# KiCad board led_mapper_850.kicad_pcb (continued)
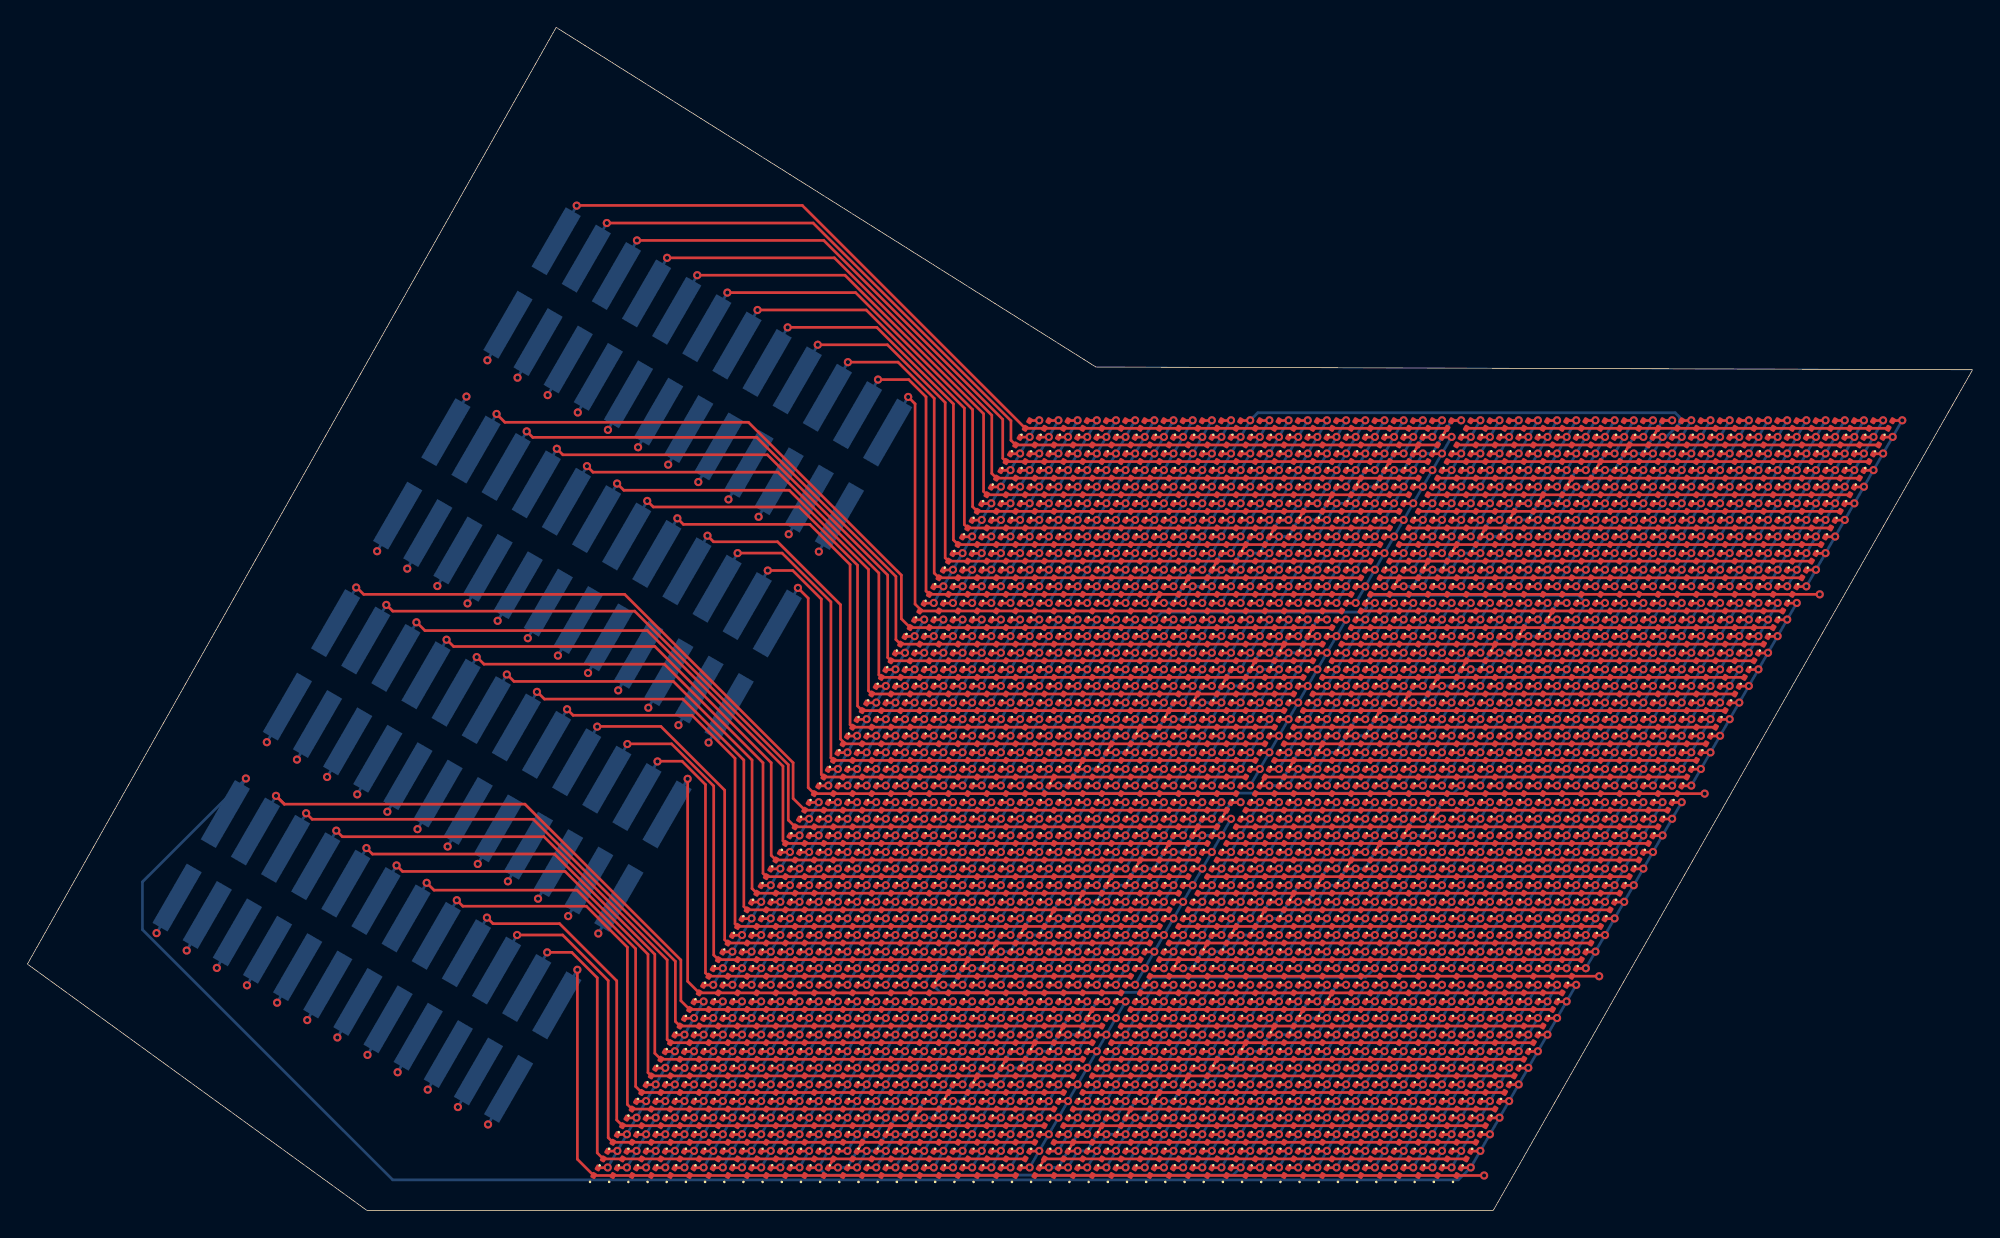
[diagram p0: board, top side]
## Placement (name value [footprint] x y rotation side) (continued)
D370  LED  [LED_0201_0603Metric]  68.8 47.7 60 top
D371  LED  [LED_0201_0603Metric]  70.2 47.7 60 top
D372  LED  [LED_0201_0603Metric]  71.6 47.7 60 top
D373  LED  [LED_0201_0603Metric]  73 47.7 60 top
D374  LED  [LED_0201_0603Metric]  74.4 47.7 60 top
D375  LED  [LED_0201_0603Metric]  75.8 47.7 60 top
D376  LED  [LED_0201_0603Metric]  77.2 47.7 60 top
D377  LED  [LED_0201_0603Metric]  78.6 47.7 60 top
D378  LED  [LED_0201_0603Metric]  80 47.7 60 top
D379  LED  [LED_0201_0603Metric]  81.4 47.7 60 top
D380  LED  [LED_0201_0603Metric]  82.8 47.7 60 top
D381  LED  [LED_0201_0603Metric]  84.2 47.7 60 top
D382  LED  [LED_0201_0603Metric]  85.6 47.7 60 top
D383  LED  [LED_0201_0603Metric]  87 47.7 60 top
D384  LED  [LED_0201_0603Metric]  88.4 47.7 60 top
D385  LED  [LED_0201_0603Metric]  89.8 47.7 60 top
D386  LED  [LED_0201_0603Metric]  91.2 47.7 60 top
D387  LED  [LED_0201_0603Metric]  92.6 47.7 60 top
D388  LED  [LED_0201_0603Metric]  94 47.7 60 top
D389  LED  [LED_0201_0603Metric]  95.4 47.7 60 top
D390  LED  [LED_0201_0603Metric]  96.8 47.7 60 top
D391  LED  [LED_0201_0603Metric]  98.2 47.7 60 top
D392  LED  [LED_0201_0603Metric]  99.6 47.7 60 top
D393  LED  [LED_0201_0603Metric]  101 47.7 60 top
D394  LED  [LED_0201_0603Metric]  102.4 47.7 60 top
D395  LED  [LED_0201_0603Metric]  103.8 47.7 60 top
D396  LED  [LED_0201_0603Metric]  105.2 47.7 60 top
D397  LED  [LED_0201_0603Metric]  106.6 47.7 60 top
D398  LED  [LED_0201_0603Metric]  108 47.7 60 top
D399  LED  [LED_0201_0603Metric]  109.4 47.7 60 top
D400  LED  [LED_0201_0603Metric]  110.8 47.7 60 top
D401  LED  [LED_0201_0603Metric]  112.2 47.7 60 top
D402  LED  [LED_0201_0603Metric]  113.6 47.7 60 top
D403  LED  [LED_0201_0603Metric]  115 47.7 60 top
D404  LED  [LED_0201_0603Metric]  116.4 47.7 60 top
D405  LED  [LED_0201_0603Metric]  117.8 47.7 60 top
D406  LED  [LED_0201_0603Metric]  119.2 47.7 60 top
D407  LED  [LED_0201_0603Metric]  120.6 47.7 60 top
D408  LED  [LED_0201_0603Metric]  122 47.7 60 top
D409  LED  [LED_0201_0603Metric]  123.4 47.7 60 top
D410  LED  [LED_0201_0603Metric]  124.8 47.7 60 top
D411  LED  [LED_0201_0603Metric]  126.2 47.7 60 top
D412  LED  [LED_0201_0603Metric]  127.6 47.7 60 top
D413  LED  [LED_0201_0603Metric]  129 47.7 60 top
D414  LED  [LED_0201_0603Metric]  130.4 47.7 60 top
D415  LED  [LED_0201_0603Metric]  66.7 46.49 60 top
D416  LED  [LED_0201_0603Metric]  68.1 46.49 60 top
D417  LED  [LED_0201_0603Metric]  69.5 46.49 60 top
D418  LED  [LED_0201_0603Metric]  70.9 46.49 60 top
D419  LED  [LED_0201_0603Metric]  72.3 46.49 60 top
D420  LED  [LED_0201_0603Metric]  73.7 46.49 60 top
D421  LED  [LED_0201_0603Metric]  75.1 46.49 60 top
D422  LED  [LED_0201_0603Metric]  76.5 46.49 60 top
D423  LED  [LED_0201_0603Metric]  77.9 46.49 60 top
D424  LED  [LED_0201_0603Metric]  79.3 46.49 60 top
D425  LED  [LED_0201_0603Metric]  80.7 46.49 60 top
D426  LED  [LED_0201_0603Metric]  82.1 46.49 60 top
D427  LED  [LED_0201_0603Metric]  83.5 46.49 60 top
D428  LED  [LED_0201_0603Metric]  84.9 46.49 60 top
D429  LED  [LED_0201_0603Metric]  86.3 46.49 60 top
D430  LED  [LED_0201_0603Metric]  87.7 46.49 60 top
D431  LED  [LED_0201_0603Metric]  89.1 46.49 60 top
D432  LED  [LED_0201_0603Metric]  90.5 46.49 60 top
D433  LED  [LED_0201_0603Metric]  91.9 46.49 60 top
D434  LED  [LED_0201_0603Metric]  93.3 46.49 60 top
D435  LED  [LED_0201_0603Metric]  94.7 46.49 60 top
D436  LED  [LED_0201_0603Metric]  96.1 46.49 60 top
D437  LED  [LED_0201_0603Metric]  97.5 46.49 60 top
D438  LED  [LED_0201_0603Metric]  98.9 46.49 60 top
D439  LED  [LED_0201_0603Metric]  100.3 46.49 60 top
D440  LED  [LED_0201_0603Metric]  101.7 46.49 60 top
D441  LED  [LED_0201_0603Metric]  103.1 46.49 60 top
D442  LED  [LED_0201_0603Metric]  104.5 46.49 60 top
D443  LED  [LED_0201_0603Metric]  105.9 46.49 60 top
D444  LED  [LED_0201_0603Metric]  107.3 46.49 60 top
D445  LED  [LED_0201_0603Metric]  108.7 46.49 60 top
D446  LED  [LED_0201_0603Metric]  110.1 46.49 60 top
D447  LED  [LED_0201_0603Metric]  111.5 46.49 60 top
D448  LED  [LED_0201_0603Metric]  112.9 46.49 60 top
D449  LED  [LED_0201_0603Metric]  114.3 46.49 60 top
D450  LED  [LED_0201_0603Metric]  115.7 46.49 60 top
D451  LED  [LED_0201_0603Metric]  117.1 46.49 60 top
D452  LED  [LED_0201_0603Metric]  118.5 46.49 60 top
D453  LED  [LED_0201_0603Metric]  119.9 46.49 60 top
D454  LED  [LED_0201_0603Metric]  121.3 46.49 60 top
D455  LED  [LED_0201_0603Metric]  122.7 46.49 60 top
D456  LED  [LED_0201_0603Metric]  124.1 46.49 60 top
D457  LED  [LED_0201_0603Metric]  125.5 46.49 60 top
D458  LED  [LED_0201_0603Metric]  126.9 46.49 60 top
D459  LED  [LED_0201_0603Metric]  128.3 46.49 60 top
D460  LED  [LED_0201_0603Metric]  129.7 46.49 60 top
D461  LED  [LED_0201_0603Metric]  66 45.28 60 top
D462  LED  [LED_0201_0603Metric]  67.4 45.28 60 top
D463  LED  [LED_0201_0603Metric]  68.8 45.28 60 top
D464  LED  [LED_0201_0603Metric]  70.2 45.28 60 top
D465  LED  [LED_0201_0603Metric]  71.6 45.28 60 top
D466  LED  [LED_0201_0603Metric]  73 45.28 60 top
D467  LED  [LED_0201_0603Metric]  74.4 45.28 60 top
D468  LED  [LED_0201_0603Metric]  75.8 45.28 60 top
D469  LED  [LED_0201_0603Metric]  77.2 45.28 60 top
D470  LED  [LED_0201_0603Metric]  78.6 45.28 60 top
D471  LED  [LED_0201_0603Metric]  80 45.28 60 top
D472  LED  [LED_0201_0603Metric]  81.4 45.28 60 top
D473  LED  [LED_0201_0603Metric]  82.8 45.28 60 top
D474  LED  [LED_0201_0603Metric]  84.2 45.28 60 top
D475  LED  [LED_0201_0603Metric]  85.6 45.28 60 top
D476  LED  [LED_0201_0603Metric]  87 45.28 60 top
D477  LED  [LED_0201_0603Metric]  88.4 45.28 60 top
D478  LED  [LED_0201_0603Metric]  89.8 45.28 60 top
D479  LED  [LED_0201_0603Metric]  91.2 45.28 60 top
D480  LED  [LED_0201_0603Metric]  92.6 45.28 60 top
D481  LED  [LED_0201_0603Metric]  94 45.28 60 top
D482  LED  [LED_0201_0603Metric]  95.4 45.28 60 top
D483  LED  [LED_0201_0603Metric]  96.8 45.28 60 top
D484  LED  [LED_0201_0603Metric]  98.2 45.28 60 top
D485  LED  [LED_0201_0603Metric]  99.6 45.28 60 top
D486  LED  [LED_0201_0603Metric]  101 45.28 60 top
D487  LED  [LED_0201_0603Metric]  102.4 45.28 60 top
D488  LED  [LED_0201_0603Metric]  103.8 45.28 60 top
D489  LED  [LED_0201_0603Metric]  105.2 45.28 60 top
D490  LED  [LED_0201_0603Metric]  106.6 45.28 60 top
D491  LED  [LED_0201_0603Metric]  108 45.28 60 top
D492  LED  [LED_0201_0603Metric]  109.4 45.28 60 top
D493  LED  [LED_0201_0603Metric]  110.8 45.28 60 top
D494  LED  [LED_0201_0603Metric]  112.2 45.28 60 top
D495  LED  [LED_0201_0603Metric]  113.6 45.28 60 top
D496  LED  [LED_0201_0603Metric]  115 45.28 60 top
D497  LED  [LED_0201_0603Metric]  116.4 45.28 60 top
D498  LED  [LED_0201_0603Metric]  117.8 45.28 60 top
D499  LED  [LED_0201_0603Metric]  119.2 45.28 60 top
D500  LED  [LED_0201_0603Metric]  120.6 45.28 60 top
D501  LED  [LED_0201_0603Metric]  122 45.28 60 top
D502  LED  [LED_0201_0603Metric]  123.4 45.28 60 top
D503  LED  [LED_0201_0603Metric]  124.8 45.28 60 top
D504  LED  [LED_0201_0603Metric]  126.2 45.28 60 top
D505  LED  [LED_0201_0603Metric]  127.6 45.28 60 top
D506  LED  [LED_0201_0603Metric]  129 45.28 60 top
D507  LED  [LED_0201_0603Metric]  65.3 44.06 60 top
D508  LED  [LED_0201_0603Metric]  66.7 44.06 60 top
D509  LED  [LED_0201_0603Metric]  68.1 44.06 60 top
D510  LED  [LED_0201_0603Metric]  69.5 44.06 60 top
D511  LED  [LED_0201_0603Metric]  70.9 44.06 60 top
D512  LED  [LED_0201_0603Metric]  72.3 44.06 60 top
D513  LED  [LED_0201_0603Metric]  73.7 44.06 60 top
D514  LED  [LED_0201_0603Metric]  75.1 44.06 60 top
D515  LED  [LED_0201_0603Metric]  76.5 44.06 60 top
D516  LED  [LED_0201_0603Metric]  77.9 44.06 60 top
D517  LED  [LED_0201_0603Metric]  79.3 44.06 60 top
D518  LED  [LED_0201_0603Metric]  80.7 44.06 60 top
D519  LED  [LED_0201_0603Metric]  82.1 44.06 60 top
D520  LED  [LED_0201_0603Metric]  83.5 44.06 60 top
D521  LED  [LED_0201_0603Metric]  84.9 44.06 60 top
D522  LED  [LED_0201_0603Metric]  86.3 44.06 60 top
D523  LED  [LED_0201_0603Metric]  87.7 44.06 60 top
D524  LED  [LED_0201_0603Metric]  89.1 44.06 60 top
D525  LED  [LED_0201_0603Metric]  90.5 44.06 60 top
D526  LED  [LED_0201_0603Metric]  91.9 44.06 60 top
D527  LED  [LED_0201_0603Metric]  93.3 44.06 60 top
D528  LED  [LED_0201_0603Metric]  94.7 44.06 60 top
D529  LED  [LED_0201_0603Metric]  96.1 44.06 60 top
D530  LED  [LED_0201_0603Metric]  120.6 30.73 60 top
D531  LED  [LED_0201_0603Metric]  119.2 30.73 60 top
D532  LED  [LED_0201_0603Metric]  117.8 30.73 60 top
D533  LED  [LED_0201_0603Metric]  116.4 30.73 60 top
D534  LED  [LED_0201_0603Metric]  115 30.73 60 top
D535  LED  [LED_0201_0603Metric]  113.6 30.73 60 top
D536  LED  [LED_0201_0603Metric]  112.2 30.73 60 top
D537  LED  [LED_0201_0603Metric]  110.8 30.73 60 top
D538  LED  [LED_0201_0603Metric]  109.4 30.73 60 top
D539  LED  [LED_0201_0603Metric]  108 30.73 60 top
D540  LED  [LED_0201_0603Metric]  106.6 30.73 60 top
D541  LED  [LED_0201_0603Metric]  105.2 30.73 60 top
D542  LED  [LED_0201_0603Metric]  103.8 30.73 60 top
D543  LED  [LED_0201_0603Metric]  102.4 30.73 60 top
D544  LED  [LED_0201_0603Metric]  101 30.73 60 top
D545  LED  [LED_0201_0603Metric]  99.6 30.73 60 top
D546  LED  [LED_0201_0603Metric]  98.2 30.73 60 top
D547  LED  [LED_0201_0603Metric]  96.8 30.73 60 top
D548  LED  [LED_0201_0603Metric]  95.4 30.73 60 top
D549  LED  [LED_0201_0603Metric]  94 30.73 60 top
D550  LED  [LED_0201_0603Metric]  92.6 30.73 60 top
D551  LED  [LED_0201_0603Metric]  91.2 30.73 60 top
D552  LED  [LED_0201_0603Metric]  89.8 30.73 60 top
D553  LED  [LED_0201_0603Metric]  88.4 30.73 60 top
D554  LED  [LED_0201_0603Metric]  87 30.73 60 top
D555  LED  [LED_0201_0603Metric]  85.6 30.73 60 top
D556  LED  [LED_0201_0603Metric]  84.2 30.73 60 top
D557  LED  [LED_0201_0603Metric]  82.8 30.73 60 top
D558  LED  [LED_0201_0603Metric]  81.4 30.73 60 top
D559  LED  [LED_0201_0603Metric]  80 30.73 60 top
D560  LED  [LED_0201_0603Metric]  78.6 30.73 60 top
D561  LED  [LED_0201_0603Metric]  77.2 30.73 60 top
D562  LED  [LED_0201_0603Metric]  75.8 30.73 60 top
D563  LED  [LED_0201_0603Metric]  74.4 30.73 60 top
D564  LED  [LED_0201_0603Metric]  73 30.73 60 top
D565  LED  [LED_0201_0603Metric]  71.6 30.73 60 top
D566  LED  [LED_0201_0603Metric]  70.2 30.73 60 top
D567  LED  [LED_0201_0603Metric]  68.8 30.73 60 top
D568  LED  [LED_0201_0603Metric]  67.4 30.73 60 top
D569  LED  [LED_0201_0603Metric]  66 30.73 60 top
D570  LED  [LED_0201_0603Metric]  64.6 30.73 60 top
D571  LED  [LED_0201_0603Metric]  63.2 30.73 60 top
D572  LED  [LED_0201_0603Metric]  61.8 30.73 60 top
D573  LED  [LED_0201_0603Metric]  60.4 30.73 60 top
D574  LED  [LED_0201_0603Metric]  59 30.73 60 top
D575  LED  [LED_0201_0603Metric]  57.6 30.73 60 top
D576  LED  [LED_0201_0603Metric]  121.3 31.94 60 top
D577  LED  [LED_0201_0603Metric]  119.9 31.94 60 top
D578  LED  [LED_0201_0603Metric]  118.5 31.94 60 top
D579  LED  [LED_0201_0603Metric]  117.1 31.94 60 top
D580  LED  [LED_0201_0603Metric]  115.7 31.94 60 top
D581  LED  [LED_0201_0603Metric]  114.3 31.94 60 top
D582  LED  [LED_0201_0603Metric]  112.9 31.94 60 top
D583  LED  [LED_0201_0603Metric]  111.5 31.94 60 top
D584  LED  [LED_0201_0603Metric]  110.1 31.94 60 top
D585  LED  [LED_0201_0603Metric]  108.7 31.94 60 top
D586  LED  [LED_0201_0603Metric]  107.3 31.94 60 top
D587  LED  [LED_0201_0603Metric]  105.9 31.94 60 top
D588  LED  [LED_0201_0603Metric]  104.5 31.94 60 top
D589  LED  [LED_0201_0603Metric]  103.1 31.94 60 top
D590  LED  [LED_0201_0603Metric]  101.7 31.94 60 top
D591  LED  [LED_0201_0603Metric]  100.3 31.94 60 top
D592  LED  [LED_0201_0603Metric]  98.9 31.94 60 top
D593  LED  [LED_0201_0603Metric]  97.5 31.94 60 top
D594  LED  [LED_0201_0603Metric]  96.1 31.94 60 top
D595  LED  [LED_0201_0603Metric]  94.7 31.94 60 top
D596  LED  [LED_0201_0603Metric]  93.3 31.94 60 top
D597  LED  [LED_0201_0603Metric]  91.9 31.94 60 top
D598  LED  [LED_0201_0603Metric]  90.5 31.94 60 top
D599  LED  [LED_0201_0603Metric]  89.1 31.94 60 top
D600  LED  [LED_0201_0603Metric]  87.7 31.94 60 top
D601  LED  [LED_0201_0603Metric]  86.3 31.94 60 top
D602  LED  [LED_0201_0603Metric]  84.9 31.94 60 top
D603  LED  [LED_0201_0603Metric]  83.5 31.94 60 top
D604  LED  [LED_0201_0603Metric]  82.1 31.94 60 top
D605  LED  [LED_0201_0603Metric]  80.7 31.94 60 top
D606  LED  [LED_0201_0603Metric]  79.3 31.94 60 top
D607  LED  [LED_0201_0603Metric]  77.9 31.94 60 top
D608  LED  [LED_0201_0603Metric]  76.5 31.94 60 top
D609  LED  [LED_0201_0603Metric]  75.1 31.94 60 top
D610  LED  [LED_0201_0603Metric]  73.7 31.94 60 top
D611  LED  [LED_0201_0603Metric]  72.3 31.94 60 top
D612  LED  [LED_0201_0603Metric]  70.9 31.94 60 top
D613  LED  [LED_0201_0603Metric]  69.5 31.94 60 top
D614  LED  [LED_0201_0603Metric]  68.1 31.94 60 top
D615  LED  [LED_0201_0603Metric]  66.7 31.94 60 top
D616  LED  [LED_0201_0603Metric]  65.3 31.94 60 top
D617  LED  [LED_0201_0603Metric]  63.9 31.94 60 top
D618  LED  [LED_0201_0603Metric]  62.5 31.94 60 top
D619  LED  [LED_0201_0603Metric]  61.1 31.94 60 top
D620  LED  [LED_0201_0603Metric]  59.7 31.94 60 top
D621  LED  [LED_0201_0603Metric]  58.3 31.94 60 top
D622  LED  [LED_0201_0603Metric]  122 33.15 60 top
D623  LED  [LED_0201_0603Metric]  120.6 33.15 60 top
D624  LED  [LED_0201_0603Metric]  119.2 33.15 60 top
D625  LED  [LED_0201_0603Metric]  117.8 33.15 60 top
D626  LED  [LED_0201_0603Metric]  116.4 33.15 60 top
D627  LED  [LED_0201_0603Metric]  115 33.15 60 top
D628  LED  [LED_0201_0603Metric]  113.6 33.15 60 top
D629  LED  [LED_0201_0603Metric]  112.2 33.15 60 top
D630  LED  [LED_0201_0603Metric]  110.8 33.15 60 top
D631  LED  [LED_0201_0603Metric]  109.4 33.15 60 top
D632  LED  [LED_0201_0603Metric]  108 33.15 60 top
D633  LED  [LED_0201_0603Metric]  106.6 33.15 60 top
D634  LED  [LED_0201_0603Metric]  105.2 33.15 60 top
D635  LED  [LED_0201_0603Metric]  103.8 33.15 60 top
D636  LED  [LED_0201_0603Metric]  102.4 33.15 60 top
D637  LED  [LED_0201_0603Metric]  101 33.15 60 top
D638  LED  [LED_0201_0603Metric]  99.6 33.15 60 top
D639  LED  [LED_0201_0603Metric]  98.2 33.15 60 top
D640  LED  [LED_0201_0603Metric]  96.8 33.15 60 top
D641  LED  [LED_0201_0603Metric]  95.4 33.15 60 top
D642  LED  [LED_0201_0603Metric]  94 33.15 60 top
D643  LED  [LED_0201_0603Metric]  92.6 33.15 60 top
D644  LED  [LED_0201_0603Metric]  91.2 33.15 60 top
D645  LED  [LED_0201_0603Metric]  89.8 33.15 60 top
D646  LED  [LED_0201_0603Metric]  88.4 33.15 60 top
D647  LED  [LED_0201_0603Metric]  87 33.15 60 top
D648  LED  [LED_0201_0603Metric]  85.6 33.15 60 top
D649  LED  [LED_0201_0603Metric]  84.2 33.15 60 top
D650  LED  [LED_0201_0603Metric]  82.8 33.15 60 top
D651  LED  [LED_0201_0603Metric]  81.4 33.15 60 top
D652  LED  [LED_0201_0603Metric]  80 33.15 60 top
D653  LED  [LED_0201_0603Metric]  78.6 33.15 60 top
D654  LED  [LED_0201_0603Metric]  77.2 33.15 60 top
D655  LED  [LED_0201_0603Metric]  75.8 33.15 60 top
D656  LED  [LED_0201_0603Metric]  74.4 33.15 60 top
D657  LED  [LED_0201_0603Metric]  73 33.15 60 top
D658  LED  [LED_0201_0603Metric]  71.6 33.15 60 top
D659  LED  [LED_0201_0603Metric]  70.2 33.15 60 top
D660  LED  [LED_0201_0603Metric]  68.8 33.15 60 top
D661  LED  [LED_0201_0603Metric]  67.4 33.15 60 top
D662  LED  [LED_0201_0603Metric]  66 33.15 60 top
D663  LED  [LED_0201_0603Metric]  64.6 33.15 60 top
D664  LED  [LED_0201_0603Metric]  63.2 33.15 60 top
D665  LED  [LED_0201_0603Metric]  61.8 33.15 60 top
D666  LED  [LED_0201_0603Metric]  60.4 33.15 60 top
D667  LED  [LED_0201_0603Metric]  59 33.15 60 top
D668  LED  [LED_0201_0603Metric]  122.7 34.36 60 top
D669  LED  [LED_0201_0603Metric]  121.3 34.36 60 top
D670  LED  [LED_0201_0603Metric]  119.9 34.36 60 top
D671  LED  [LED_0201_0603Metric]  118.5 34.36 60 top
D672  LED  [LED_0201_0603Metric]  117.1 34.36 60 top
D673  LED  [LED_0201_0603Metric]  115.7 34.36 60 top
D674  LED  [LED_0201_0603Metric]  114.3 34.36 60 top
D675  LED  [LED_0201_0603Metric]  112.9 34.36 60 top
D676  LED  [LED_0201_0603Metric]  111.5 34.36 60 top
D677  LED  [LED_0201_0603Metric]  110.1 34.36 60 top
D678  LED  [LED_0201_0603Metric]  108.7 34.36 60 top
D679  LED  [LED_0201_0603Metric]  107.3 34.36 60 top
D680  LED  [LED_0201_0603Metric]  105.9 34.36 60 top
D681  LED  [LED_0201_0603Metric]  104.5 34.36 60 top
D682  LED  [LED_0201_0603Metric]  103.1 34.36 60 top
D683  LED  [LED_0201_0603Metric]  101.7 34.36 60 top
D684  LED  [LED_0201_0603Metric]  100.3 34.36 60 top
D685  LED  [LED_0201_0603Metric]  98.9 34.36 60 top
D686  LED  [LED_0201_0603Metric]  97.5 34.36 60 top
D687  LED  [LED_0201_0603Metric]  96.1 34.36 60 top
D688  LED  [LED_0201_0603Metric]  94.7 34.36 60 top
D689  LED  [LED_0201_0603Metric]  93.3 34.36 60 top
D690  LED  [LED_0201_0603Metric]  91.9 34.36 60 top
D691  LED  [LED_0201_0603Metric]  90.5 34.36 60 top
D692  LED  [LED_0201_0603Metric]  89.1 34.36 60 top
D693  LED  [LED_0201_0603Metric]  87.7 34.36 60 top
D694  LED  [LED_0201_0603Metric]  86.3 34.36 60 top
D695  LED  [LED_0201_0603Metric]  84.9 34.36 60 top
D696  LED  [LED_0201_0603Metric]  83.5 34.36 60 top
D697  LED  [LED_0201_0603Metric]  82.1 34.36 60 top
D698  LED  [LED_0201_0603Metric]  80.7 34.36 60 top
D699  LED  [LED_0201_0603Metric]  79.3 34.36 60 top
D700  LED  [LED_0201_0603Metric]  77.9 34.36 60 top
D701  LED  [LED_0201_0603Metric]  76.5 34.36 60 top
D702  LED  [LED_0201_0603Metric]  75.1 34.36 60 top
D703  LED  [LED_0201_0603Metric]  73.7 34.36 60 top
D704  LED  [LED_0201_0603Metric]  72.3 34.36 60 top
D705  LED  [LED_0201_0603Metric]  70.9 34.36 60 top
D706  LED  [LED_0201_0603Metric]  69.5 34.36 60 top
D707  LED  [LED_0201_0603Metric]  68.1 34.36 60 top
D708  LED  [LED_0201_0603Metric]  66.7 34.36 60 top
D709  LED  [LED_0201_0603Metric]  65.3 34.36 60 top
D710  LED  [LED_0201_0603Metric]  63.9 34.36 60 top
D711  LED  [LED_0201_0603Metric]  62.5 34.36 60 top
D712  LED  [LED_0201_0603Metric]  61.1 34.36 60 top
D713  LED  [LED_0201_0603Metric]  59.7 34.36 60 top
D714  LED  [LED_0201_0603Metric]  123.4 35.58 60 top
D715  LED  [LED_0201_0603Metric]  122 35.58 60 top
D716  LED  [LED_0201_0603Metric]  120.6 35.58 60 top
D717  LED  [LED_0201_0603Metric]  119.2 35.58 60 top
D718  LED  [LED_0201_0603Metric]  117.8 35.58 60 top
D719  LED  [LED_0201_0603Metric]  116.4 35.58 60 top
D720  LED  [LED_0201_0603Metric]  115 35.58 60 top
D721  LED  [LED_0201_0603Metric]  113.6 35.58 60 top
D722  LED  [LED_0201_0603Metric]  112.2 35.58 60 top
D723  LED  [LED_0201_0603Metric]  110.8 35.58 60 top
D724  LED  [LED_0201_0603Metric]  109.4 35.58 60 top
D725  LED  [LED_0201_0603Metric]  108 35.58 60 top
D726  LED  [LED_0201_0603Metric]  106.6 35.58 60 top
D727  LED  [LED_0201_0603Metric]  105.2 35.58 60 top
D728  LED  [LED_0201_0603Metric]  103.8 35.58 60 top
D729  LED  [LED_0201_0603Metric]  102.4 35.58 60 top
D730  LED  [LED_0201_0603Metric]  101 35.58 60 top
D731  LED  [LED_0201_0603Metric]  99.6 35.58 60 top
D732  LED  [LED_0201_0603Metric]  98.2 35.58 60 top
D733  LED  [LED_0201_0603Metric]  96.8 35.58 60 top
D734  LED  [LED_0201_0603Metric]  95.4 35.58 60 top
D735  LED  [LED_0201_0603Metric]  94 35.58 60 top
D736  LED  [LED_0201_0603Metric]  92.6 35.58 60 top
D737  LED  [LED_0201_0603Metric]  91.2 35.58 60 top
D738  LED  [LED_0201_0603Metric]  89.8 35.58 60 top
D739  LED  [LED_0201_0603Metric]  88.4 35.58 60 top
D740  LED  [LED_0201_0603Metric]  87 35.58 60 top
D741  LED  [LED_0201_0603Metric]  85.6 35.58 60 top
D742  LED  [LED_0201_0603Metric]  84.2 35.58 60 top
D743  LED  [LED_0201_0603Metric]  82.8 35.58 60 top
D744  LED  [LED_0201_0603Metric]  81.4 35.58 60 top
D745  LED  [LED_0201_0603Metric]  80 35.58 60 top
D746  LED  [LED_0201_0603Metric]  78.6 35.58 60 top
D747  LED  [LED_0201_0603Metric]  77.2 35.58 60 top
D748  LED  [LED_0201_0603Metric]  75.8 35.58 60 top
D749  LED  [LED_0201_0603Metric]  74.4 35.58 60 top
D750  LED  [LED_0201_0603Metric]  73 35.58 60 top
D751  LED  [LED_0201_0603Metric]  71.6 35.58 60 top
D752  LED  [LED_0201_0603Metric]  70.2 35.58 60 top
D753  LED  [LED_0201_0603Metric]  68.8 35.58 60 top
D754  LED  [LED_0201_0603Metric]  67.4 35.58 60 top
D755  LED  [LED_0201_0603Metric]  66 35.58 60 top
D756  LED  [LED_0201_0603Metric]  64.6 35.58 60 top
D757  LED  [LED_0201_0603Metric]  63.2 35.58 60 top
D758  LED  [LED_0201_0603Metric]  61.8 35.58 60 top
D759  LED  [LED_0201_0603Metric]  60.4 35.58 60 top
D760  LED  [LED_0201_0603Metric]  124.1 36.79 60 top
D761  LED  [LED_0201_0603Metric]  122.7 36.79 60 top
D762  LED  [LED_0201_0603Metric]  121.3 36.79 60 top
D763  LED  [LED_0201_0603Metric]  119.9 36.79 60 top
D764  LED  [LED_0201_0603Metric]  118.5 36.79 60 top
D765  LED  [LED_0201_0603Metric]  117.1 36.79 60 top
D766  LED  [LED_0201_0603Metric]  115.7 36.79 60 top
D767  LED  [LED_0201_0603Metric]  114.3 36.79 60 top
D768  LED  [LED_0201_0603Metric]  112.9 36.79 60 top
D769  LED  [LED_0201_0603Metric]  111.5 36.79 60 top
D770  LED  [LED_0201_0603Metric]  110.1 36.79 60 top
D771  LED  [LED_0201_0603Metric]  108.7 36.79 60 top
D772  LED  [LED_0201_0603Metric]  107.3 36.79 60 top
D773  LED  [LED_0201_0603Metric]  105.9 36.79 60 top
D774  LED  [LED_0201_0603Metric]  104.5 36.79 60 top
D775  LED  [LED_0201_0603Metric]  103.1 36.79 60 top
D776  LED  [LED_0201_0603Metric]  101.7 36.79 60 top
D777  LED  [LED_0201_0603Metric]  100.3 36.79 60 top
D778  LED  [LED_0201_0603Metric]  98.9 36.79 60 top
D779  LED  [LED_0201_0603Metric]  97.5 36.79 60 top
D780  LED  [LED_0201_0603Metric]  96.1 36.79 60 top
D781  LED  [LED_0201_0603Metric]  94.7 36.79 60 top
D782  LED  [LED_0201_0603Metric]  93.3 36.79 60 top
D783  LED  [LED_0201_0603Metric]  91.9 36.79 60 top
D784  LED  [LED_0201_0603Metric]  90.5 36.79 60 top
D785  LED  [LED_0201_0603Metric]  89.1 36.79 60 top
D786  LED  [LED_0201_0603Metric]  87.7 36.79 60 top
D787  LED  [LED_0201_0603Metric]  86.3 36.79 60 top
D788  LED  [LED_0201_0603Metric]  84.9 36.79 60 top
D789  LED  [LED_0201_0603Metric]  83.5 36.79 60 top
D790  LED  [LED_0201_0603Metric]  82.1 36.79 60 top
D791  LED  [LED_0201_0603Metric]  80.7 36.79 60 top
D792  LED  [LED_0201_0603Metric]  79.3 36.79 60 top
D793  LED  [LED_0201_0603Metric]  77.9 36.79 60 top
D794  LED  [LED_0201_0603Metric]  76.5 36.79 60 top
D795  LED  [LED_0201_0603Metric]  75.1 36.79 60 top
D796  LED  [LED_0201_0603Metric]  73.7 36.79 60 top
D797  LED  [LED_0201_0603Metric]  72.3 36.79 60 top
D798  LED  [LED_0201_0603Metric]  70.9 36.79 60 top
D799  LED  [LED_0201_0603Metric]  69.5 36.79 60 top
D800  LED  [LED_0201_0603Metric]  68.1 36.79 60 top
D801  LED  [LED_0201_0603Metric]  66.7 36.79 60 top
D802  LED  [LED_0201_0603Metric]  65.3 36.79 60 top
D803  LED  [LED_0201_0603Metric]  63.9 36.79 60 top
D804  LED  [LED_0201_0603Metric]  62.5 36.79 60 top
D805  LED  [LED_0201_0603Metric]  61.1 36.79 60 top
D806  LED  [LED_0201_0603Metric]  124.8 38 60 top
D807  LED  [LED_0201_0603Metric]  123.4 38 60 top
D808  LED  [LED_0201_0603Metric]  122 38 60 top
D809  LED  [LED_0201_0603Metric]  120.6 38 60 top
D810  LED  [LED_0201_0603Metric]  119.2 38 60 top
D811  LED  [LED_0201_0603Metric]  117.8 38 60 top
D812  LED  [LED_0201_0603Metric]  116.4 38 60 top
D813  LED  [LED_0201_0603Metric]  115 38 60 top
D814  LED  [LED_0201_0603Metric]  113.6 38 60 top
D815  LED  [LED_0201_0603Metric]  112.2 38 60 top
D816  LED  [LED_0201_0603Metric]  110.8 38 60 top
D817  LED  [LED_0201_0603Metric]  109.4 38 60 top
D818  LED  [LED_0201_0603Metric]  108 38 60 top
D819  LED  [LED_0201_0603Metric]  106.6 38 60 top
D820  LED  [LED_0201_0603Metric]  105.2 38 60 top
D821  LED  [LED_0201_0603Metric]  103.8 38 60 top
D822  LED  [LED_0201_0603Metric]  102.4 38 60 top
D823  LED  [LED_0201_0603Metric]  101 38 60 top
D824  LED  [LED_0201_0603Metric]  99.6 38 60 top
D825  LED  [LED_0201_0603Metric]  98.2 38 60 top
D826  LED  [LED_0201_0603Metric]  96.8 38 60 top
D827  LED  [LED_0201_0603Metric]  95.4 38 60 top
D828  LED  [LED_0201_0603Metric]  94 38 60 top
D829  LED  [LED_0201_0603Metric]  92.6 38 60 top
D830  LED  [LED_0201_0603Metric]  91.2 38 60 top
D831  LED  [LED_0201_0603Metric]  89.8 38 60 top
D832  LED  [LED_0201_0603Metric]  88.4 38 60 top
D833  LED  [LED_0201_0603Metric]  87 38 60 top
D834  LED  [LED_0201_0603Metric]  85.6 38 60 top
D835  LED  [LED_0201_0603Metric]  84.2 38 60 top
D836  LED  [LED_0201_0603Metric]  82.8 38 60 top
D837  LED  [LED_0201_0603Metric]  81.4 38 60 top
D838  LED  [LED_0201_0603Metric]  80 38 60 top
D839  LED  [LED_0201_0603Metric]  78.6 38 60 top
D840  LED  [LED_0201_0603Metric]  77.2 38 60 top
D841  LED  [LED_0201_0603Metric]  75.8 38 60 top
D842  LED  [LED_0201_0603Metric]  74.4 38 60 top
D843  LED  [LED_0201_0603Metric]  73 38 60 top
D844  LED  [LED_0201_0603Metric]  71.6 38 60 top
D845  LED  [LED_0201_0603Metric]  70.2 38 60 top
D846  LED  [LED_0201_0603Metric]  68.8 38 60 top
D847  LED  [LED_0201_0603Metric]  67.4 38 60 top
D848  LED  [LED_0201_0603Metric]  66 38 60 top
D849  LED  [LED_0201_0603Metric]  64.6 38 60 top
D850  LED  [LED_0201_0603Metric]  63.2 38 60 top
D851  LED  [LED_0201_0603Metric]  61.8 38 60 top
D852  LED  [LED_0201_0603Metric]  125.5 39.21 60 top
D853  LED  [LED_0201_0603Metric]  124.1 39.21 60 top
D854  LED  [LED_0201_0603Metric]  122.7 39.21 60 top
D855  LED  [LED_0201_0603Metric]  121.3 39.21 60 top
D856  LED  [LED_0201_0603Metric]  119.9 39.21 60 top
D857  LED  [LED_0201_0603Metric]  118.5 39.21 60 top
D858  LED  [LED_0201_0603Metric]  117.1 39.21 60 top
D859  LED  [LED_0201_0603Metric]  115.7 39.21 60 top
D860  LED  [LED_0201_0603Metric]  114.3 39.21 60 top
D861  LED  [LED_0201_0603Metric]  112.9 39.21 60 top
D862  LED  [LED_0201_0603Metric]  111.5 39.21 60 top
D863  LED  [LED_0201_0603Metric]  110.1 39.21 60 top
D864  LED  [LED_0201_0603Metric]  108.7 39.21 60 top
D865  LED  [LED_0201_0603Metric]  107.3 39.21 60 top
D866  LED  [LED_0201_0603Metric]  105.9 39.21 60 top
D867  LED  [LED_0201_0603Metric]  104.5 39.21 60 top
D868  LED  [LED_0201_0603Metric]  103.1 39.21 60 top
D869  LED  [LED_0201_0603Metric]  101.7 39.21 60 top
D870  LED  [LED_0201_0603Metric]  100.3 39.21 60 top
D871  LED  [LED_0201_0603Metric]  98.9 39.21 60 top
D872  LED  [LED_0201_0603Metric]  97.5 39.21 60 top
D873  LED  [LED_0201_0603Metric]  96.1 39.21 60 top
D874  LED  [LED_0201_0603Metric]  94.7 39.21 60 top
D875  LED  [LED_0201_0603Metric]  93.3 39.21 60 top
D876  LED  [LED_0201_0603Metric]  91.9 39.21 60 top
D877  LED  [LED_0201_0603Metric]  90.5 39.21 60 top
D878  LED  [LED_0201_0603Metric]  89.1 39.21 60 top
D879  LED  [LED_0201_0603Metric]  87.7 39.21 60 top
D880  LED  [LED_0201_0603Metric]  86.3 39.21 60 top
D881  LED  [LED_0201_0603Metric]  84.9 39.21 60 top
D882  LED  [LED_0201_0603Metric]  83.5 39.21 60 top
D883  LED  [LED_0201_0603Metric]  82.1 39.21 60 top
D884  LED  [LED_0201_0603Metric]  80.7 39.21 60 top
D885  LED  [LED_0201_0603Metric]  79.3 39.21 60 top
D886  LED  [LED_0201_0603Metric]  77.9 39.21 60 top
D887  LED  [LED_0201_0603Metric]  76.5 39.21 60 top
D888  LED  [LED_0201_0603Metric]  75.1 39.21 60 top
D889  LED  [LED_0201_0603Metric]  73.7 39.21 60 top
D890  LED  [LED_0201_0603Metric]  72.3 39.21 60 top
D891  LED  [LED_0201_0603Metric]  70.9 39.21 60 top
D892  LED  [LED_0201_0603Metric]  69.5 39.21 60 top
D893  LED  [LED_0201_0603Metric]  68.1 39.21 60 top
D894  LED  [LED_0201_0603Metric]  66.7 39.21 60 top
D895  LED  [LED_0201_0603Metric]  65.3 39.21 60 top
D896  LED  [LED_0201_0603Metric]  63.9 39.21 60 top
D897  LED  [LED_0201_0603Metric]  62.5 39.21 60 top
D898  LED  [LED_0201_0603Metric]  126.2 40.43 60 top
D899  LED  [LED_0201_0603Metric]  124.8 40.43 60 top
D900  LED  [LED_0201_0603Metric]  123.4 40.43 60 top
D901  LED  [LED_0201_0603Metric]  122 40.43 60 top
D902  LED  [LED_0201_0603Metric]  120.6 40.43 60 top
D903  LED  [LED_0201_0603Metric]  119.2 40.43 60 top
D904  LED  [LED_0201_0603Metric]  117.8 40.43 60 top
D905  LED  [LED_0201_0603Metric]  116.4 40.43 60 top
D906  LED  [LED_0201_0603Metric]  115 40.43 60 top
D907  LED  [LED_0201_0603Metric]  113.6 40.43 60 top
D908  LED  [LED_0201_0603Metric]  112.2 40.43 60 top
D909  LED  [LED_0201_0603Metric]  110.8 40.43 60 top
D910  LED  [LED_0201_0603Metric]  109.4 40.43 60 top
D911  LED  [LED_0201_0603Metric]  108 40.43 60 top
D912  LED  [LED_0201_0603Metric]  106.6 40.43 60 top
D913  LED  [LED_0201_0603Metric]  105.2 40.43 60 top
D914  LED  [LED_0201_0603Metric]  103.8 40.43 60 top
D915  LED  [LED_0201_0603Metric]  102.4 40.43 60 top
D916  LED  [LED_0201_0603Metric]  101 40.43 60 top
D917  LED  [LED_0201_0603Metric]  99.6 40.43 60 top
D918  LED  [LED_0201_0603Metric]  98.2 40.43 60 top
D919  LED  [LED_0201_0603Metric]  96.8 40.43 60 top
D920  LED  [LED_0201_0603Metric]  95.4 40.43 60 top
D921  LED  [LED_0201_0603Metric]  94 40.43 60 top
D922  LED  [LED_0201_0603Metric]  92.6 40.43 60 top
D923  LED  [LED_0201_0603Metric]  91.2 40.43 60 top
D924  LED  [LED_0201_0603Metric]  89.8 40.43 60 top
D925  LED  [LED_0201_0603Metric]  88.4 40.43 60 top
D926  LED  [LED_0201_0603Metric]  87 40.43 60 top
D927  LED  [LED_0201_0603Metric]  85.6 40.43 60 top
D928  LED  [LED_0201_0603Metric]  84.2 40.43 60 top
D929  LED  [LED_0201_0603Metric]  82.8 40.43 60 top
D930  LED  [LED_0201_0603Metric]  81.4 40.43 60 top
D931  LED  [LED_0201_0603Metric]  80 40.43 60 top
D932  LED  [LED_0201_0603Metric]  78.6 40.43 60 top
D933  LED  [LED_0201_0603Metric]  77.2 40.43 60 top
D934  LED  [LED_0201_0603Metric]  75.8 40.43 60 top
D935  LED  [LED_0201_0603Metric]  74.4 40.43 60 top
D936  LED  [LED_0201_0603Metric]  73 40.43 60 top
D937  LED  [LED_0201_0603Metric]  71.6 40.43 60 top
D938  LED  [LED_0201_0603Metric]  70.2 40.43 60 top
D939  LED  [LED_0201_0603Metric]  68.8 40.43 60 top
D940  LED  [LED_0201_0603Metric]  67.4 40.43 60 top
D941  LED  [LED_0201_0603Metric]  66 40.43 60 top
D942  LED  [LED_0201_0603Metric]  64.6 40.43 60 top
D943  LED  [LED_0201_0603Metric]  63.2 40.43 60 top
D944  LED  [LED_0201_0603Metric]  126.9 41.64 60 top
D945  LED  [LED_0201_0603Metric]  125.5 41.64 60 top
D946  LED  [LED_0201_0603Metric]  124.1 41.64 60 top
D947  LED  [LED_0201_0603Metric]  122.7 41.64 60 top
D948  LED  [LED_0201_0603Metric]  121.3 41.64 60 top
D949  LED  [LED_0201_0603Metric]  119.9 41.64 60 top
D950  LED  [LED_0201_0603Metric]  118.5 41.64 60 top
D951  LED  [LED_0201_0603Metric]  117.1 41.64 60 top
D952  LED  [LED_0201_0603Metric]  115.7 41.64 60 top
D953  LED  [LED_0201_0603Metric]  114.3 41.64 60 top
